# Altium PCB VC_NRF5340.PcbDoc (part 2 of 2)
Units mm, origin at the board's own origin, x right, y up, seen from the top; angles counter-clockwise.
Board outline 36.7 x 19.2 mm, 6 copper layers (Top Layer, Int1 (Sign), Int2 (GND), Int3 (PWR), Int4 (Sign), Bottom Layer), stack 0.94 mm thick; 97 components, 99 nets, 449 pads, 285 vias.
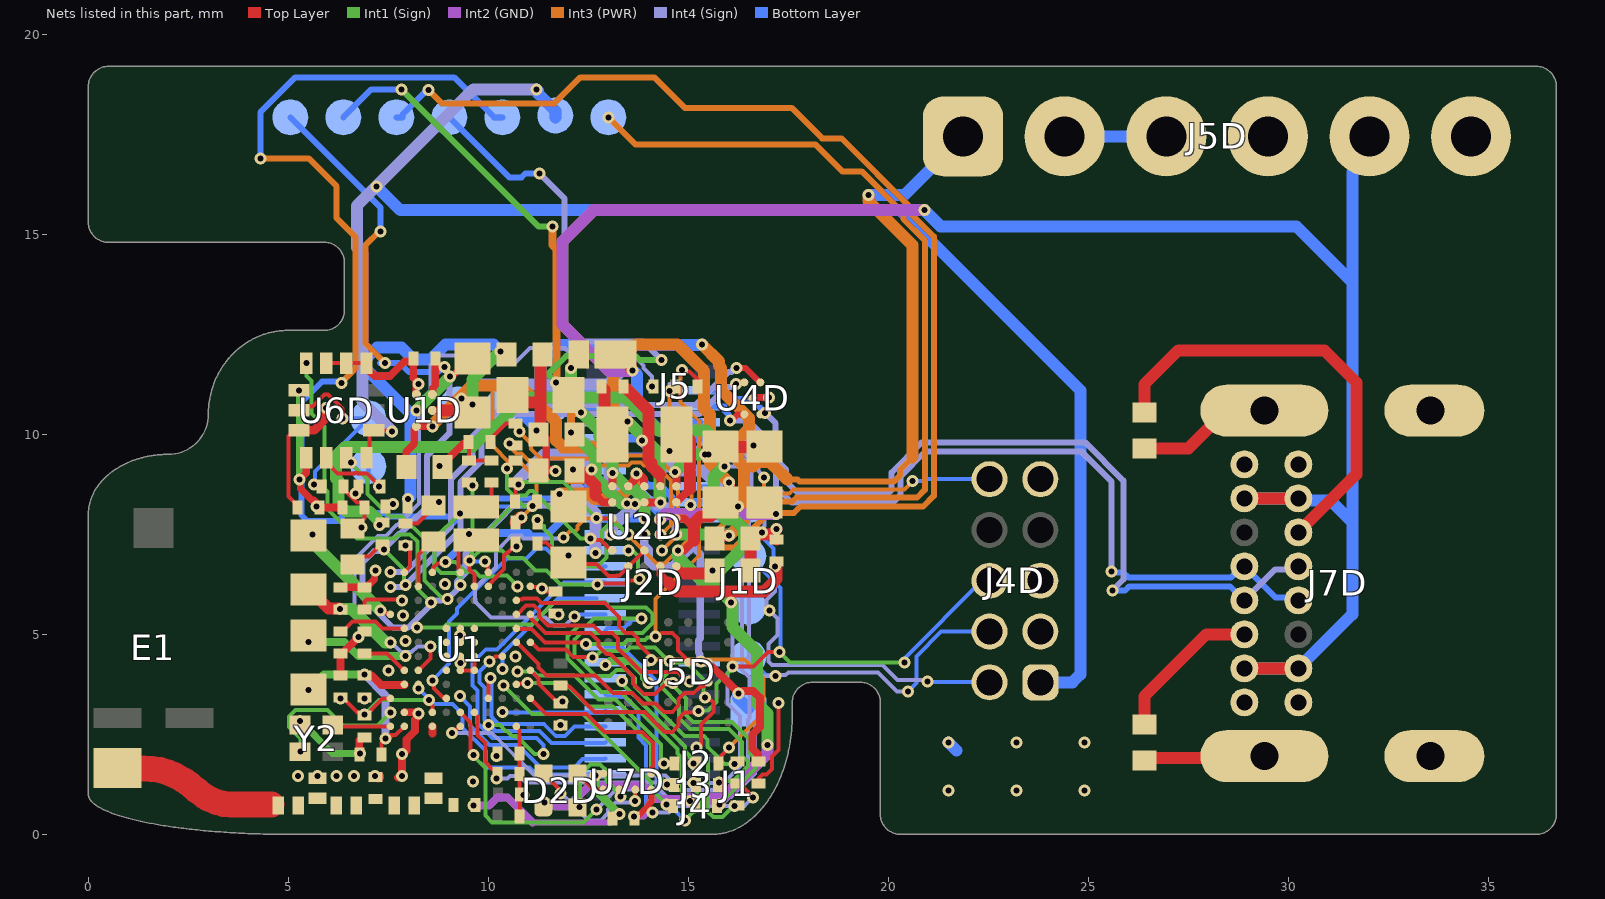
[diagram p6: the nets of this part, all layers, seen from the top]

## Via types
v1: diameter 0.3, hole 0.15, Top Layer to Bottom Layer, tented both sides, 160 vias
v2: diameter 0.3, hole 0.15, Top Layer to Int1 (Sign), tented both sides, 88 vias
v3: diameter 0.3, hole 0.15, Int4 (Sign) to Bottom Layer, tented both sides, 37 vias

## Nets (pads, with @x,y where several pads share a name; then routed paths per layer and width w, separated by ;. In a path a pad name is that pad's centre, name@x,y a point inside that pad or via, vN(x,y) a via of type N, cw(c..) or ccw(c..) an arc to the next point about the centre after c; other vN are vias at no path point) (continued)
C15: J2D.25 U1.C4 | length 6.1
  Top Layer w0.1: v1(8.25,3.65) U1.C4@8.25,3.75
  Bottom Layer w0.1: v1(8.25,3.65) 8.645,3.255 9.102,3.255 9.356,3 9.356,2.657 9.924,2.09 9.924,1.735 9.982,1.676 11.024,1.676 11.2,1.5 J2D.25@12.925,1.5
C16: J2D.24 U1.F3 | length 4.7
  Bottom Layer w0.1: v1(9.29,3.457) 9.547,3.2 9.547,2.716 10.034,2.229 10.746,2.229 11.298,1.677 12.151,1.677 12.358,1.883 12.908,1.883 J2D.24@12.925,1.9
C17: J2D.23 U1.J6 | length 5.3
  Top Layer w0.1: v1(10.027,4.325) 10.061,4.325 10.185,4.449 U1.J6@10.35,4.45
  Bottom Layer w0.1: v1(10.027,4.325) 9.778,4.076 9.778,4.023 9.777,4.021 9.777,3.792 9.9,3.669 9.9,2.862 10.18,2.582 11.276,2.582 11.576,2.282 12.907,2.282 J2D.23@12.925,2.3
C18: J2D.22 U1.H3 | length 4.7
  Top Layer w0.1: U1.H3@10,3.4 10,3.798 10.054,3.852 v1(10.053,3.907)
  Bottom Layer w0.1: v1(10.053,3.907) 10.077,3.883 10.077,2.943 10.099,2.921 10.099,2.913 10.253,2.759 11.385,2.759 11.685,2.459 11.915,2.459 12.156,2.7 J2D.22@12.925,2.7
C19: J2D.21 U1.J2 | length 2.6
  Bottom Layer w0.1: v1(10.353,3.058) 10.361,3.05 12.875,3.05 J2D.21@12.925,3.1
C20: J1.2 J2D.20 | length 6.9
  Top Layer w0.1: J1.2@16.227,1.267 16.277,1.267 16.614,0.93 v1(16.614,0.923)
  Int4 (Sign) w0.1: v3(14.104,0.546) 14.518,0.546 14.679,0.707 16.398,0.707 v1(16.614,0.923)
  Bottom Layer w0.1: J2D.20@12.925,3.5 12.985,3.44 13.393,3.44 13.753,3.08 13.753,2.417 13.944,2.226 13.944,0.709 14.104,0.549 v3(14.104,0.546)
"C20 ALT GPIO": J1.3 U1.C8 | length 14.5
  Top Layer w0.1: v2(8.221,5.172) 8.243,5.15 U1.C8@8.25,5.15
  Int1 (Sign) w0.1: v2(8.221,5.172) 8.869,5.172 8.948,5.251 9.308,5.251 ; 9.309,5.25 11.093,5.25 11.638,5.796 12.927,5.796 13.047,5.676 13.94,5.676 14.101,5.515 14.101,5.285 13.929,5.113 13.928,5.113 13.849,5.034 12.322,5.034 12.16,4.872 12.16,4.473 12.673,3.96 13.047,3.96 13.2,4.113 13.453,4.113 13.669,3.897 13.669,3.693 14.91,2.453 15.39,2.453 15.485,2.358 15.485,2.185 15.743,1.928 15.907,1.763 v2(16.156,1.763)
C21: J2.2 J2D.19 | length 2.8
  Int1 (Sign) w0.1: v1(13.338,3.837) 13.338,3.782 13.42,3.701 13.42,3.693 14.912,2.201 14.912,2.082 15.024,1.971 15.024,1.929 15.124,1.829 v2(15.124,1.775)
"C21 ALT GPIO": J2.3 U1.K5 | length 5.2
  Top Layer w0.1: U1.K5@10.7,4.1 v2(10.73,4.07) ; v2(14.387,1.766) 14.641,1.766 J2.3@14.65,1.775
  Int1 (Sign) w0.1: v2(10.73,4.07) 11.121,4.07 11.215,3.976 12.158,3.976 12.758,3.377 13.185,3.377 14.312,2.249 14.312,1.822 14.369,1.766 v2(14.387,1.766)
C22: J2D.17 J3.2 | length 6.6
  Int1 (Sign) w0.1: v1(14.911,0.35) 15.131,0.569 15.172,0.569 15.32,0.717 15.32,0.946 15.203,1.063 15.203,1.232 15.152,1.283 v2(15.124,1.283)
  Bottom Layer w0.1: J2D.17@12.925,4.7 13.333,4.7 14.2,3.833 14.2,1.061 v1(14.911,0.35)
"C22 ALT GPIO": J3.3 U1.K4 | length 5.4
  Top Layer w0.1: U1.K4@10.7,3.75 10.717,3.767 10.957,3.767 v2(10.974,3.784) ; v2(14.462,1.248) 14.628,1.248 J3.3@14.642,1.234
  Int1 (Sign) w0.1: v2(10.974,3.784) 11.921,3.784 12.505,3.2 13.111,3.2 14.07,2.241 14.07,1.64 v2(14.462,1.248)
C23: J2D.16 J4.2 | length 8.9
  Top Layer w0.15: v2(15.044,0.832) 15.072,0.803 15.121,0.803 15.171,0.753 J4.2@15.171,0.707
  Int1 (Sign) w0.1: v1(13.825,5.4) 12.643,5.4 12.453,5.211 12.249,5.211 11.984,4.945 11.984,4.4 12.824,3.56 13.303,3.56 14.725,2.138 14.725,2.02 14.847,1.898 14.847,1.028 v2(15.044,0.832)
  Bottom Layer w0.1: J2D.16@12.925,5.1 12.985,5.16 13.393,5.16 13.594,5.362 13.787,5.362 v1(13.825,5.4)
"C23 ALT GPIO": J4.3 U1.J4 | length 5.4
  Int1 (Sign) w0.1: v2(10.38,3.72) 11.088,3.012 12.363,3.012 14.071,1.304 14.071,1.129 v2(14.45,0.75)
C24: J2D.15 J5.2 | length 15.2
  Int3 (PWR) w0.1: v1(11.882,7.427) 12.043,7.587 12.178,7.587 12.229,7.638 12.229,7.71 12.419,7.9 13.079,7.9 14.204,6.775 14.408,6.775 15.084,7.451 15.084,9.847 14.531,10.4 v1(14.531,11.089)
  Int4 (Sign) w0.1: v1(11.882,7.427) 11.858,7.402 10.88,7.402 10.815,7.467 10.585,7.467 10.187,7.069 10.187,6.687 9.662,6.162 9.662,5.826 10.062,5.425 11.431,5.425 11.638,5.217 11.917,5.217 v3(12.15,5.45) ; v1(14.531,11.089) 14.531,11.256
  Bottom Layer w0.1: v3(12.15,5.45) 12.2,5.5 J2D.15@12.925,5.5
"C24 ALT GPIO": J5.3 U1.C5 | length 16.6
  Top Layer w0.1: U1.C5@8.25,4.1 8.55,4.4 8.55,4.693 v1(8.555,4.698)
  Int2 (GND) w0.1: v1(8.555,4.698) v1@8.555,4.705
  Int4 (Sign) w0.1: v1(8.555,4.698) 8.229,4.698 8.083,4.553 7.811,4.553 6.65,5.714 6.65,6.874 7.237,7.461 7.436,7.461 7.703,7.728 7.724,7.728 8.267,8.272 8.267,10.817 8.55,11.1 8.55,11.738 8.776,11.965 9.645,11.965 9.813,11.797 10.682,11.797 11.042,12.158 11.906,12.158 12.116,11.947 13.652,11.947 13.884,11.715 13.884,11.661 14.095,11.451 v1(14.095,11.2)
C25: J2D.14 U1.J5 | length 3.3
  Bottom Layer w0.1: v1(10.358,4.129) 10.358,4.515 11.743,5.9 J2D.14@12.7,5.9
C26: J2D.13 U1.H1 | length 9.5
  Top Layer w0.1: U1.H1@10,2.7 10,2.725 v2(10.003,2.729)
  Int1 (Sign) w0.1: v2(10.003,2.729) 10.287,2.729 10.433,2.582 10.461,2.582 10.587,2.456 10.7,2.456 11.15,2.006 v1(11.375,2.006)
  Bottom Layer w0.1: v1(11.375,2.006) 11.375,2.233 11.202,2.406 10.107,2.406 9.724,2.789 9.724,3.595 9.6,3.719 9.6,4.095 9.601,4.096 9.601,4.291 9.935,4.625 10.218,4.625 11.893,6.3 J2D.13@12.925,6.3
C27: J2D.12 U1.E3 | length 7.2
  Top Layer w0.1: v1(8.598,3.848) 8.636,3.81 8.636,3.648 8.867,3.417 8.933,3.417 U1.E3@8.95,3.4
  Bottom Layer w0.1: v1(8.598,3.848) 9.015,4.265 9.015,5.318 9.214,5.517 9.214,5.641 10.468,6.895 10.957,6.895 11.209,7.147 11.438,7.147 11.662,6.923 11.885,6.699 12.162,6.699 12.163,6.7 J2D.12@12.925,6.7
C28: J2D.7 U1.H12 | length 7.2
  Top Layer w0.1: v1(9.911,6.825) 9.911,6.771 9.986,6.695 9.986,6.564 U1.H12@10,6.55 U1.H12@10,6.556
  Bottom Layer w0.1: v1(9.911,6.825) 9.483,6.825 9.194,6.536 8.82,6.536 8.658,6.698 8.658,7.283 9.572,8.197 11.862,8.197 12.358,8.692 12.917,8.692 J2D.7@12.925,8.7
EXT_CHG/VUSB: D1D.2 J2D.47 J2D.48 J5D.5 J6D.0 J7D.A4 J7D.A9 J7D.B4 J7D.B9 | length 55
  Top Layer w0.3: D1D.2@13.175,12 13.35,12 13.55,11.8 13.55,11.658 v1(13.607,11.601) ; J7D.A4@28.9,4.15 J7D.B9@30.25,4.15 ; J7D.A9@28.9,8.4 J7D.B4@30.25,8.4
  Int2 (GND) w0.3: v1(13.607,11.601) 13.585,11.578 13.02,11.578 11.85,12.748 11.85,14.818 12.635,15.603 v1(20.903,15.603)
  Int4 (Sign) w0.3: v3(9.331,10.9) 9.679,11.248 12.998,11.248 13.351,11.601 v1(13.607,11.601)
  Bottom Layer w0.22: 14.5,10.029 14.629,9.9 J2D.47@15.275,9.9 ; 14.5,10.2 14.6,10.3 J2D.48@15.275,10.3
  Bottom Layer w0.3: v1(13.607,11.601) 13.612,11.601 13.718,11.495 13.718,10.657 14.274,10.101 14.398,10.101 ; v1(20.903,15.603) 21.306,15.2 30.2,15.2 31.6,13.8 ; J7D.A4@28.9,4.15 J7D.B9@30.25,4.15 31.6,5.5 31.6,7.8 ; J7D.A9@28.9,8.4 J7D.B4@30.25,8.4 30.3,8.35 31.05,8.35 31.6,7.8 ; J5D.5@32.028,17.45 32.028,16.99 31.6,16.562 31.6,13.8 ; 31.6,7.8 31.6,13.8
EXT_USB_N: J2D.49 J7D.A7 J7D.B7 U4D.A2 | length 21
  Top Layer w0.15: v1(16.041,10.352) 16.082,10.352 16.225,10.495 16.395,10.495 U4D.A2@16.4,10.5
  Int4 (Sign) w0.15: v1(16.041,10.352) 16.489,10.352 16.954,9.886 16.954,9.289 17.187,9.057 17.187,8.693 17.58,8.3 20.12,8.3 20.308,8.488 20.308,8.953 20.928,9.574 24.826,9.574 25.575,8.825 v3(25.575,6.575)
  Bottom Layer w0.15: J2D.49@15.275,10.7 15.899,10.7 15.899,10.6 16.012,10.486 16.012,10.38 v1(16.041,10.352) ; v3(25.575,6.575) 25.603,6.547 25.878,6.547 25.999,6.426 28.573,6.426 28.846,6.7 J7D.A7@28.9,6.7 29.675,5.925 30.175,5.925 J7D.B7@30.25,5.85
EXT_USB_P: J2D.50 J7D.A6 J7D.B6 U4D.A1 | length 21.7
  Top Layer w0.15: U4D.A1@16.8,10.5 16.81,10.51 16.893,10.51 v1(16.92,10.536)
  Int4 (Sign) w0.15: v1(16.92,10.536) 17.181,10.275 17.181,9.383 17.441,9.123 17.441,8.827 17.742,8.526 19.994,8.526 20.081,8.614 20.081,9.047 20.835,9.8 24.92,9.8 25.876,8.844 25.876,6.371 v3(25.602,6.097) ; J7D.A6@28.9,5.85 29.675,6.625 30.175,6.625 J7D.B6@30.25,6.7
  Bottom Layer w0.15: J2D.50@15.275,11.1 15.819,11.1 16.038,10.881 16.575,10.881 v1(16.92,10.536) ; v3(25.602,6.097) 25.922,6.097 26.025,6.2 28.542,6.2 28.892,5.85 J7D.A6@28.9,5.85
"Flash C\S\": U1.K7 U5D.C4 | length 6
  Top Layer w0.1: U1.K7@10.7,4.8 10.713,4.8 11.259,4.254 11.259,4.176 11.458,3.976 12.674,3.976 13.114,3.537 13.598,3.537 13.734,3.4 13.738,3.4 13.867,3.271 14.184,3.271 14.392,3.064 14.598,3.064 14.75,3.216 14.75,3.384 14.902,3.537 15.135,3.537 15.3,3.701 15.381,3.701 15.48,3.8 U5D.C4@15.5,3.8
"Flash CLK": J1.1 U1.L7 U5D.E3 | length 9.5
  Top Layer w0.1: U1.L7@11.05,4.8 11.074,4.8 11.251,4.623 11.938,4.623 12.134,4.427 12.597,4.427 v2(12.604,4.42) ; v2(15.209,2.177) 15.248,2.177 15.311,2.24 15.311,2.524 15.313,2.527 15.313,2.748 15.625,3.06 15.625,3.294 15.566,3.353 15.54,3.353 15.468,3.425 v2(15.414,3.425)
  Int1 (Sign) w0.1: v2(12.604,4.42) 12.658,4.42 12.819,4.581 13.449,4.581 13.538,4.67 14.168,4.67 14.506,4.333 v2(14.525,4.333) ; v2@14.525,4.316 14.546,4.294 14.954,4.294 15.376,3.872 15.376,3.463 v2(15.414,3.425) ; v2(15.209,2.177) 15.221,2.177 15.495,1.902 15.495,1.187 15.497,1.186 15.497,0.644 15.496,0.643 15.496,0.56 15.626,0.43 15.855,0.43 16.133,0.709 v2(16.148,0.709)
"Flash IO0 (DI)": J2.1 U1.K10 U5D.F3 | length 10
  Top Layer w0.1: U1.K10@10.7,5.85 10.717,5.867 10.842,5.867 10.873,5.898 11.215,5.898 11.335,5.778 12.922,5.778 13.264,5.436 13.264,5.202 13.429,5.036 13.598,5.036 13.737,4.898 13.737,4.765 14.024,4.478 14.024,4.4 v1(14.062,4.362) U5D.F3@14,4.3 ; J2.1@15.75,1.775 15.825,1.85 15.825,1.973 v1(16.018,2.166)
  Int2 (GND) w0.1: v1(16.018,2.166) v1@16.018,2.179
  Int3 (PWR) w0.1: v1(14.062,4.362) 14.072,4.372 16.399,4.372 16.874,3.898 16.874,3.022 v1(16.018,2.166)
"Flash IO1 (DO)": J3.1 U1.K9 U5D.D4 | length 10.9
  Top Layer w0.1: U1.K9@10.7,5.5 10.724,5.5 10.946,5.721 11.142,5.721 11.271,5.592 11.271,5.445 11.491,5.225 12.623,5.225 12.811,5.036 13.098,5.036 13.237,4.898 13.237,4.65 13.83,4.056 14.744,4.056 U5D.D4@14.99,3.81 ; U5D.D4@14.993,3.81 14.993,3.807 U5D.D4@15,3.8 15.025,3.825 v2(15.032,3.825)
  Int1 (Sign) w0.1: v2(15.032,3.825) 14.978,3.825 14.747,4.056 14.5,4.056 14.338,3.894 14.338,3.665 14.768,3.235 14.768,2.906 15.045,2.629 16.021,2.629 16.347,2.303 16.347,1.963 16.487,1.823 16.487,1.703 16.112,1.328 15.799,1.328 v2(15.772,1.302)
"Flash IO2": J4.1 U1.L9 U5D.E4 | length 9.6
  Top Layer w0.1: U1.L9@11.05,5.5 11.067,5.483 11.067,5.399 11.432,5.034 12.551,5.034 12.752,4.834 12.752,4.714 12.953,4.513 13.053,4.513 13.615,3.951 13.615,3.774 13.885,3.503 14.171,3.503 14.468,3.8 U5D.E4@14.5,3.8 14.594,3.8 v2(14.615,3.78)
  Int1 (Sign) w0.1: v2(14.615,3.78) 14.615,3.726 14.945,3.396 14.945,2.982 15.12,2.806 16.094,2.806 16.524,2.377 16.524,2.036 16.663,1.896 16.663,1.63 v2(15.773,0.74)
"Flash IO3": J5.1 U1.K8 U5D.D3 | length 12.9
  Top Layer w0.1: U1.K8@10.7,5.15 10.717,5.133 11.084,5.133 11.417,4.8 12.278,4.8 12.282,4.796 12.398,4.796 v2(12.437,4.758) ; 14.328,5.036 14.598,5.036 14.737,4.898 14.737,4.596 15,4.332 U5D.D3@15,4.3 ; v1(14.84,11.606) 14.878,11.568 15.032,11.568 15.225,11.375 J5.1@15.225,11.2
  Int1 (Sign) w0.1: v2(12.437,4.758) 13.376,4.758 13.476,4.858 13.922,4.858 13.984,4.92 14.157,4.92 v1(14.184,4.946)
  Int3 (PWR) w0.1: v1(14.184,4.946) 14.184,5.884 15.261,6.961 15.261,10.339 14.807,10.793 14.807,11.574 v1(14.84,11.606)
GND: C1.1 C1D.1 C2.1 C2D.1 C3.1 C3D.1 C4.1 C4D.1 C5.1 C5D.1 C6.1 C6D.1 C7.1 C8.1 C8D.1 C9.1 C9D.1 C10.1 C10D.1 C11.1 C11D.1 C12.1 C12D.1 C13.1 C13D.1 C14.1 C14D.1 C15.1 C15D.1 C16.1 C16D.1 C17.1 C17D.1 C18.1 C18D.1 C19.1 J1D.6 J2D.8 J2D.18 J2D.33 J2D.43 J4D.3 J4D.5 J4D.9 J5D.4 J5D.6 J7D.0 J7D.A1 J7D.A12 J7D.B1 J7D.B12 J8D.0 L7.1 R1D.1 R4D.1 R5D.1 RT1D.1 U1.A5 U1.B2 U1.B9 U1.C2 U1.D12 U1.E5 U1.E6 U1.E7 U1.E8 U1.F5 U1.F6 U1.F7 U1.F8 U1.G5 U1.G6 U1.G7 U1.G8 U1.K6 U1.K11 U1D.A3 U2D.B1 U2D.C2 U2D.C3 U2D.E6 U4D.B1 U5D.F4 U6D.1 U6D.2 U6D.3 U6D.7 U7D.D1 Y2.2 | length 62.9
  Top Layer w0.1: C16D.1@5.225,8.175 5.15,8.25 5.15,8.3 5.006,8.444 5.006,9.954 5.152,10.1 U6D.7@5.267,10.1 ; U6D.3@5.95,11.781 U6D.2@6.45,11.781 U6D.1@6.95,11.781 ; C18D.1@6.338,8.7 6.338,8.675 6.713,8.3 6.825,8.3 6.899,8.226 6.899,7.899 C12.1@6.821,7.821 ; C12.1@6.6,7.65 6.65,7.65 C12.1@6.821,7.821 ; v1(6.832,7.674) 6.832,7.809 C12.1@6.821,7.821 ; v1(7.502,4.098) 7.504,4.1 U1.A5@7.55,4.1 ; C10.1@7.925,7.775 8.225,7.775 8.45,8 8.45,8.05 C13.1@8.625,8.225 ; U1.D12@8.6,6.55 8.617,6.567 8.617,6.667 8.724,6.774 8.896,6.774 v1(8.934,6.813) ; U1.F5@9.3,4.1 U1.G5@9.65,4.1 U1.G6@9.65,4.45 ; RT1D.1@9.386,9.776 9.522,9.641 C19.1@9.522,9.35 C18.1@10.075,9.35 ; v1(10.678,4.444) 10.694,4.444 U1.K6@10.7,4.45 ; U1.K11@10.7,6.2 10.725,6.2 v2(10.726,6.2) ; C3.1@11.225,7.275 11.225,7.3 11.45,7.3 11.95,6.8 C9D.1@12,6.8 12.04,6.76 12.706,6.76 13.002,6.464 13.198,6.464 13.211,6.476 13.276,6.476 U2D.B1@13.5,6.7 U2D.C2@13.9,7.1 ; v2(12.677,1.473) 12.704,1.501 12.854,1.501 U7D.D1@12.873,1.52 ; C2D.1@13.1,0.4 13.1,0.429 13.175,0.504 v1(13.275,0.504) ; C14D.1@16.75,1.275 16.75,1.4 16.849,1.499 16.953,1.499 17.087,1.633 17.087,1.943 17.253,2.109 17.253,2.343 17.25,2.346 v1(17.25,3.281)
  Top Layer w0.18: Y2.2@5.29,2.735 v2(5.29,2.837) ; C11.1@6.3,6.175 C1.1@6.9,6.175 6.95,6.175 7.154,6.379 7.154,6.574 v1(7.177,6.597) ; C8.1@6.775,2 v1(6.796,2.021) ; C8.1@6.775,2.021 6.775,2.35 6.85,2.425 C2.1@6.9,2.425 ; v1(6.9,3.4) C9.1@6.9,3.425 ; U1.B2@7.9,3.05 U1.C2@8.25,3.05 v1@8.25,2.95 ; R1D.1@8.125,11.85 8.125,11.416 8.254,11.288 v1(8.254,11.255) ; U1D.A3@8.2,11 v1@8.2,11.255 ; v1(10.2,1.953) 10.233,1.986 C4.1@10.233,2.027 ; C13D.1@11.35,9.1 11.43,9.02 11.43,9.037 11.51,9.116 11.611,9.116 11.641,9.086 v1(11.673,9.086) ; C13D.1@11.45,9.1 C12D.1@11.45,9.9 ; C5.1@11.8,2.725 v1(11.8,2.735) ; C9D.1@11.911,7.011 11.937,7.037 v1(12,6.975) ; U4D.B1@16.6,10.9 16.605,10.9 16.623,10.918 v1(17.01,10.918)
  Top Layer w0.2: v1@5.213,1.457 v1(5.238,1.457) ; C7.1@6.3,3.975 C15.1@6.3,4.525 6.35,4.525 v1@6.755,4.93 ; C14.1@6.796,4.971 6.796,4.998 6.825,5.027 6.825,5.05 6.85,5.075 C14.1@6.9,5.075 ; U6D.1@6.95,11.781 6.95,11.667 7.154,11.463 7.546,11.463 7.908,11.825 8.1,11.825 R1D.1@8.125,11.85 ; C17.1@7.238,1.392 C17.1@7.238,1.457 ; C17.1@7.288,1.417 C17.1@7.288,1.457 ; v1@7.738,1.417 v1@7.838,1.517 ; v1(7.838,1.457) 7.838,1.832 ; 7.838,1.807 v1@7.838,1.982 ; v1@7.85,2 7.95,2.1 7.95,2.366 8.172,2.588 8.172,2.871 v1@8.25,2.95 ; v1@7.863,1.982 v1@7.863,2.007 ; v1(8.776,9.213) 8.823,9.213 RT1D.1@9.386,9.776 ; v2(14,3.78) U5D.F4@14,3.8 ; v2(14.661,9.057) 14.661,9.03 14.7,8.992 U2D.E6@14.7,8.7
  Top Layer w0.22: U6D.7@5.267,10.1 5.643,10.1 5.938,10.395 5.938,10.647 v1(5.946,10.655)
  Top Layer w0.3: C10D.1@10.6,11 10.8,10.8 11.3,10.8 ; v1(11.2,10.1) 11.2,10.05 C12D.1@11.25,10 ; C12D.1@11.25,10.1 11.3,10.15 11.3,10.8 ; C1D.1@11.35,12 11.3,11.95 11.3,10.8 ; C8D.1@15.85,9.75 15.916,9.684 16.45,9.684 16.466,9.7 C11D.1@16.625,9.7 ; C3D.1@16.55,6.6 16.55,7.5 16.975,7.5 ; v1(16.625,9.725) 16.875,9.725 C11D.1@16.9,9.7 ; C5D.1@17.2,7.375 17.075,7.5 v1(17.207,7.632) ; R4D.1@26.4,1.85 26.453,1.903 29.347,1.903 J7D.0@29.4,1.955 ; R5D.1@26.4,9.65 27.505,9.65 28.45,10.595 J7D.0@29.4,10.595
  Int2 (GND) w0.15: 11.101,0.3 13.071,0.3 v1(13.275,0.504)
  Int2 (GND) w0.2: v1@7.85,2.025 7.85,2.05 v1@7.875,2.075 ; v1(9.625,0.724) 10.022,0.724 10.215,0.916 10.485,0.916 11.101,0.3
  Int1 (Sign) w0.1: v1(8.934,6.813) 9.18,6.813 9.42,6.572 9.671,6.572 9.796,6.447 10.211,6.447 10.235,6.472 10.465,6.472 10.626,6.31 v2@10.626,6.161
  Int1 (Sign) w0.18: v2(5.29,2.837) 6.106,2.021 v1(6.796,2.021)
  Int1 (Sign) w0.2: v2(12.677,1.473) 12.677,1.109 13.275,0.51 v1(13.275,0.504) ; v1(12.932,4.237) 13.035,4.34 13.547,4.34 13.896,3.991 13.896,3.911 14,3.807 v2(14,3.78)
  Int1 (Sign) w0.3: v2(14.661,9.057) 15.104,9.5 v2(15.414,9.5)
  Int4 (Sign) w0.18: 15.143,7.4 15.143,7.243 15.143,7.157 15.3,7 15.3,4.898 15.25,4.848 15.25,4.547 15.287,4.51 15.287,4.343 v3(15.31,4.32)
  Int4 (Sign) w0.22: v1(13.9,7.5) 13.9,7.221 14.005,7.116 14.005,6.829 14.134,6.7 14.6,6.7 15.143,7.243 ; v3(15.052,8.237) 15.052,7.775 15.143,7.683 15.143,7.4
  Bottom Layer w0.18: J2D.18@12.925,4.3 12.925,4.244 v1(12.932,4.237) ; J2D.33@15.275,4.3 15.295,4.32 v3(15.31,4.32)
  Bottom Layer w0.2: v1(8.934,6.813) 9.649,7.527 10.998,7.527 11.075,7.45 11.435,7.45 12.285,8.3 J2D.8@12.925,8.3
  Bottom Layer w0.22: v3(15.052,8.237) 15.052,8.3 J2D.43@15.275,8.3
  Bottom Layer w0.3: J8D.0@10.4,10.75 10.562,10.75 10.783,10.53 10.853,10.53 11.2,10.182 v1(11.2,10.1) ; J1D.6@16.5,9.5 16.5,9.6 v1(16.625,9.725) ; v1(21.5,2.3) 21.7,2.1
  other v1: 21.5,1.1 23.2,1.1 24.9,1.1 9.615,1.326 5.723,1.457 6.201,1.457 6.636,1.457 7.161,1.457 7.838,2.007 23.2,2.3 24.9,2.3 8.25,3.02 9.3,4.285 6.755,4.93 9.291,4.974 7.87,5.473 11.753,5.502 8.77,8.304 6.675,8.525
"IMU INT1": U1.D10 U6D.4 | length 8.3
  Top Layer w0.1: v2(8.566,5.793) 8.6,5.826 U1.D10@8.6,5.85
  Int1 (Sign) w0.1: v2(5.45,11.781) 5.45,11.456 5.576,11.33 5.576,10.517 5.9,10.194 5.9,8.874 5.918,8.856 5.918,8.633 5.976,8.575 5.976,8.139 6.718,7.397 7.657,7.397 7.761,7.501 8.04,7.501 8.224,7.318 8.224,6.135 v2(8.566,5.793)
"IMU INT2": U1.E10 U6D.10 | length 5.1
  Top Layer w0.1: U6D.10@6.45,9.419 6.454,9.419 v2(6.571,9.302) ; U1.E10@8.95,5.85 8.95,5.931 8.997,5.978 9.006,5.978 9.006,5.906 v2(8.98,5.88)
  Int1 (Sign) w0.1: v2(6.571,9.302) 6.571,9.273 6.977,8.867 6.977,8.51 7.537,7.951 7.84,7.951 8.4,7.391 8.4,6.35 8.832,5.918 8.942,5.918 v2(8.98,5.88)
"LED SDB": U1.L3 U7D.A1 | length 4.3
  Top Layer w0.1: U1.L3@11.05,3.4 11.438,3.012 12.454,3.012 12.83,2.635 12.902,2.564 13.847,2.564 14.11,2.3 14.11,1.696 14.084,1.67 14.084,1.531 U7D.A1@14.073,1.52
NetC1D_2: C1D.2 JP1D.1 L1D.2 U1D.B2 | length 10.8
  Top Layer w0.18: U1D.B2@8.6,10.6 8.754,10.6 ; L1D.2@9.298,10.275 9.448,10.275 L1D.2@9.548,10.375
  Top Layer w0.3: 8.854,10.6 9.473,10.6 9.498,10.625 9.598,10.625 v2(9.598,10.747)
  Int1 (Sign) w0.3: v2(9.598,10.747) 9.598,11.372 v1(10.299,12.074)
  Bottom Layer w0.3: v1(7.991,8.386) 8.05,8.445 8.05,10.526 6.937,11.639 6.937,11.887 7.215,12.166 7.834,12.166 8.126,11.874 8.558,11.874 8.935,12.25 10.123,12.25 v1(10.299,12.074)
NetC5D_2: C5D.2 U2D.D1 | length 3.8
  Top Layer w0.2: U2D.D1@14.3,6.7 14.3,6.5 14.5,6.3
  Top Layer w0.3: 14.5,6.3 14.727,6.074 16.418,6.074 16.894,6.074 17.002,6.182 17.2,6.38 C5D.2@17.2,6.732
NetC7D_1: C7D.1 L2D.1 U2D.C5 U2D.D5 | length 4.2
  Top Layer w0.2: U2D.C5@13.9,8.3 v2(14.3,8.3)
  Top Layer w0.3: C7D.1@12.85,11.175 12.9,11.125 12.9,10.3 L2D.1@13.1,10.1 ; L2D.1@13.2,10.5 13.2,10.474 13.35,10.323 v2(13.477,10.323)
  Int1 (Sign) w0.3: v2(13.477,10.323) 14.285,9.515 14.285,8.415 v2@14.3,8.4
NetC7D_2: C7D.2 U2D.D6 | length 2.8
  Top Layer w0.2: 14.285,9 14.3,8.985 U2D.D6@14.3,8.7
  Top Layer w0.3: C7D.2@13.4,11.175 13.425,11.15 13.446,11.15 14,10.596 ; 14,10.575 14,9.356 14.073,9.282 14.073,9.206 14.206,9.073 14.211,9.073 14.285,9
NetC8_2: C8.2 C9.2 L1.1 U1.B1 U1.B4 | length 5.8
  Top Layer w0.1: v1@7.524,2.402 v1@7.484,2.402 ; v1@7.524,2.402 7.6,2.478 ; U1.B1@7.9,2.7 7.678,2.478 7.6,2.478 ; C8.2@7.328,2.053 7.328,2.3 v1(7.43,2.402) v1@7.484,2.402 ; C8.2@7.328,2.053 7.328,2.003 C8.2@7.325,2 7.325,2.05 C8.2@7.328,2.053 ; v1@7.484,2.402 7.56,2.478 7.6,2.478
  Top Layer w0.2: L1.1@5.5,3.6 v2(5.5,3.614) ; v1(6.9,4) 6.95,4 6.975,3.975 7.081,3.975 7.318,3.738 7.885,3.738 U1.B4@7.898,3.75 ; U1.B4@7.9,3.729 U1.B4@7.9,3.75
  Int1 (Sign) w0.2: v2(5.5,3.614) 5.886,4 v1(6.9,4)
  Int4 (Sign) w0.2: v1(6.9,4) 7.43,3.47 v1(7.43,2.402)
NetC11_2: C11.2 L2.1 U1.A7 | length 2.6
  Top Layer w0.3: L2.1@5.5,6.1 5.55,6.1 6,5.65 6.281,5.65 v2(6.293,5.638)
  Int1 (Sign) w0.3: v2(6.293,5.638) 6.58,5.638 7.418,4.8 v2(7.55,4.8)
NetC12_2: C12.2 R3.2 U1.B11 | length 2.2
  Top Layer w0.1: C12.2@6.6,6.75 6.65,6.75 6.85,6.95 7.011,6.95 7.301,7.24 R3.2@7.351,7.24 7.392,7.2 v2(7.392,7.121) ; U1.B11@7.9,6.2 v2(7.93,6.23)
  Int1 (Sign) w0.1: v2(7.392,7.121) 7.392,7.117 7.737,6.772 7.892,6.618 7.892,6.268 v2(7.93,6.23)
NetC13_2: C13.2 U1.C11 | length 1.3
  Top Layer w0.1: U1.C11@8.25,6.2 8.25,7 8.575,7.325 C13.2@8.625,7.325
NetC14_2: C14.2 U1.B5 | length 1.2
  Top Layer w0.1: C14.2@6.9,4.525 7.465,4.525 7.89,4.1 U1.B5@7.9,4.1
NetC15_2: C15.2 U1.B8 | length 1.8
  Top Layer w0.1: C15.2@6.3,5.075 6.35,5.075 6.602,5.327 7.178,5.327 7.354,5.15 U1.B8@7.9,5.15
NetC16_2: C16.2 L4.2 L5.1
NetC17_2: C17.2 L3.1 L5.2
NetC18_2: C18.2 U1.F11 Y1.1 | length 3.4
  Top Layer w0.1: v2(9.286,8.026) Y1.1@9.286,8.053 ; U1.F11@9.3,6.2 v2(9.3,6.228) ; Y1.1@9.7,8.188 9.837,8.188 10.075,8.425 C18.2@10.075,8.8
  Int1 (Sign) w0.1: v2(9.286,8.026) 8.658,7.398 8.658,6.698 8.82,6.536 9.194,6.536 9.3,6.43 v2(9.3,6.228)
NetC19_2: C19.2 U1.F12 Y1.2 | length 2.3
  Top Layer w0.1: U1.F12@9.3,6.55 9.3,6.574 9.258,6.616 9.258,7.125 9.496,7.362 Y1.2@9.5,7.362 ; C19.2@9.522,8.8 v2(9.6,8.722) ; Y1.2@10.114,7.524 Y1.2@10.121,7.531
  Int1 (Sign) w0.1: v2(9.517,7.51) 9.541,7.51 9.6,7.568 v2(9.6,8.722)